# EAGLE board working (EAGLE 9.6.2), part 22 of 28
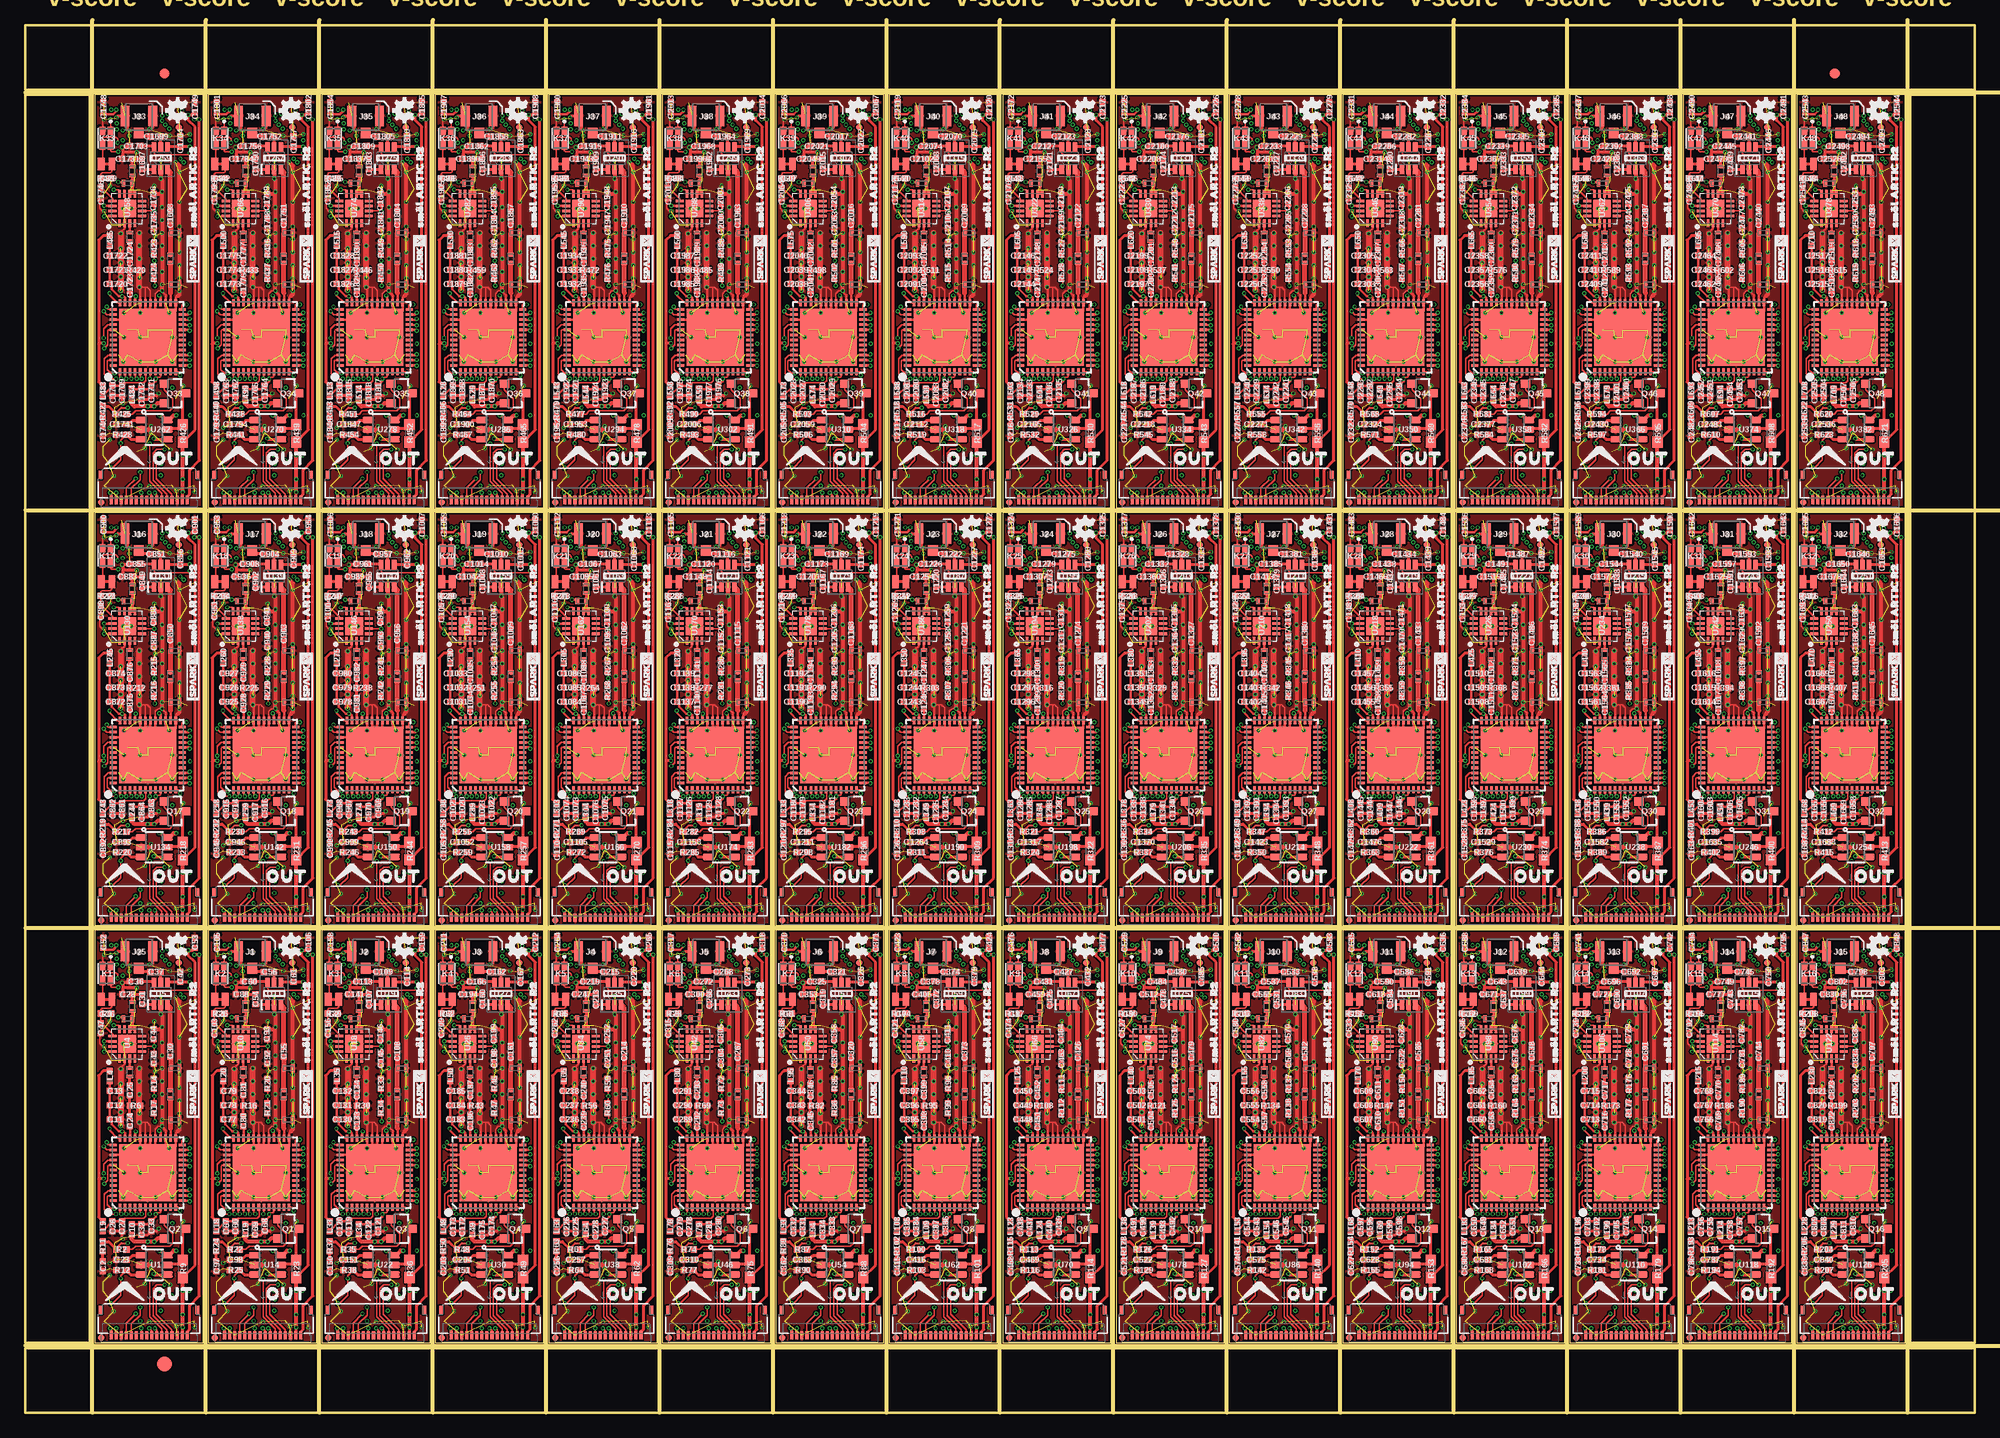
[diagram p0: board, top side]
## Tracks (layer width: path | path; a pad name or v marks a point on that pad's centre or on a via) (continued)
N$707  (via drill 0.2) (continued)
  Top 0.152: v113.41,60.7 113.41,60.77 113.46,60.82 113.8,60.82 113.9,60.92 U201.9
  Top 0.254: L379.1 C1341.1 112.65,59.68 C1340.1 113.41,60.44 v113.41,60.7
  Bottom 0.152: v113.41,60.7 112.65,59.94 R326.1 R327.2
N$708  (via drill 0.2)
  Top 0.254: U201.35 110.4,68.67 110.24,68.84 v110.11,68.84 109.79,68.84 109.1,69.52 109.1,69.85 C1349.1 C1350.1 C1351.1 108.91,73.79 L380.1 | U201.28 113.9,68.77 v113.77,68.9 | U201.33 111.4,68.78 v111.45,68.84
  Bottom 0.254: v113.77,68.9 113.71,68.84 v111.45,68.84 v110.11,68.84
N$709  (via drill 0.2)
  Top 0.152: U201.36 109.64,68.17 108.88,68.93 v108.88,69.12
  Bottom 0.254: L381.1 109.22,69.47 v108.88,69.12 108.88,69.11 109.4,68.58 C1343.1 109.42,68.45 109.86,68.01 C1342.1
N$710  (via drill 0.2)
  Top 0.127: U201.41 108.78,65.52 108.69,65.43 108.69,64.03 v108.34,63.69
  Bottom 0.152: v108.34,63.69 108.34,63.11 R328.1
N$711  (via drill 0.2)
  Top 0.152: U201.40 108.69,66.02 108.3,65.62 v108.3,64.71
  Bottom 0.152: v108.3,64.71 109.09,64.71 C1344.1 C1345.1 L382.1
N$712  (via drill 0.2)
  Top 0.152: v108.59,67.77 108.59,67.68 108.74,67.52 U201.37
  Bottom 0.152: v108.59,67.77 109.09,67.27 109.6,67.27 110.07,66.79 110.34,66.79 X26.4 111.67,66.45 C1347.1 C1346.1
N$713
  Bottom 0.152: C1348.1 108.36,65.63 109.18,66.45 X26.3
N$714  (via drill 0.2)
  Top 0.152: U201.38 108.59,67.02 108.29,67.32 v108.29,67.36
  Bottom 0.152: v108.29,67.36 108.27,67.33 C1348.2
N$715
  Top 0.254: U201.34 110.9,69.32 C1352.1
N$716
  Top 0.254: 110.87,71.37 R329.2 | 110.88,72.39 C1353.1
  Top 0.305: C1352.2 110.87,71.37 | R329.2 110.88,72.39
N$717  (via drill 0.2)
  Top 0.254: v108.33,77.72 U202.14
  Bottom 0.254: L384.P$2 108.34,77.74 v108.33,77.72
N$718
  Bottom 0.254: C1358.1 C1357.1 R331.1 109.62,78.6 L384.P$1
N$719
  Top 0.305: C1353.2 L383.P$1
N$720
  Top 0.254: L383.P$2 U202.3
N$721
  Top 0.254: U202.10 111.12,78.92 U202.9
  Top 0.305: 111.12,79.93 L385.P$2 | 111.12,79.93 111.12,78.92 | L386.P$1 111.12,79.93
N$722
  Top 0.254: C1359.P$1 114.88,72.1 114.87,72.09 114.88,72.08 | 114.9,69.96 L387.P$2 arc-45 L387.P$2 | U201.26 114.9,69.14 114.88,69.15
  Top 0.508: 114.88,69.15 L387.P$2 | L387.P$2 114.88,72.08
N$723  (via drill 0.2)
  Top 0.254: U201.20 116.66,65.52 v116.78,65.41
  Bottom 0.152: C1366.1 116.08,63.55 117.09,63.55 117.22,63.69 117.22,64.96 v116.78,65.41
  Bottom 0.254: C1366.1 C1367.1 L389.1
N$724
  Top 0.305: U206.5 114.65,55.75 115.67,55.75 R335.1 116.08,58.97 Q26.3
N$725
  Top 0.152: R334.1 111.12,57.21 111.44,57.53 114.81,57.53 115.12,57.85 115.12,58.74 114.25,59.61 Q26.1
N$726  (via drill 0.2)
  Top 0.203: R334.2 109.55,57.35 110.05,57.85 v110.67,57.85
  Top 0.305: v113.22,54.8 113.28,54.74 U206.4 | R336.1 108.26,57.97 108.78,57.97 R334.2
  Bottom 0.203: v113.22,54.8 112.9,54.8 112.14,55.56 112.14,57.47 111.76,57.85 v110.67,57.85
N$727
  Top 0.305: C1369.1 R336.2
  Top 0.406: 108.2,57.02 R336.2
N$728
  Top 0.305: U206.1 111.92,56.58 111.12,56.58 110.74,56.2 C1370.1
N$729
  Top 0.305: C1379.1 124.42,81.35 U211.1
N$730
  Top 0.508: C1380.1 126.05,81.02 U211.3
N$731
  Top 0.305: U211.5 C1381.2
N$732  (via drill 0.2)
  Top 0.254: U209.24 127.23,67.92 127.32,68.01 v127.64,68.01
  Bottom 0.305: C1388.1 126.24,68.78 126.24,68.57 126.67,68.14 L391.1 v127.64,68.01 127.64,68.59 C1387.1
N$733  (via drill 0.2)
  Top 0.254: U209.23 127.7,67.02 127.71,67.03 127.8,67.03 v127.95,67.18
  Bottom 0.305: L392.1 127.25,66.99 127.45,67.18 v127.95,67.18
  Bottom 0.406: C1389.1 C1390.1 L392.1
N$734
  Top 0.152: U209.6 123.63,61.32 123.63,60.49 123.43,60.29 121.57,60.29 C1391.1 | L393.1 119.38,59.02 120.33,59.98 C1392.1
  Top 0.254: C1392.1 C1391.1
N$735  (via drill 0.2)
  Top 0.152: v124.59,60.7 124.59,60.77 124.64,60.82 124.98,60.82 125.08,60.92 U209.9
  Top 0.254: L394.1 C1394.1 123.83,59.68 C1393.1 124.59,60.44 v124.59,60.7
  Bottom 0.152: v124.59,60.7 123.83,59.94 R339.1 R340.2
N$736  (via drill 0.2)
  Top 0.254: U209.35 121.58,68.67 121.41,68.84 v121.29,68.84 120.97,68.84 120.28,69.52 120.28,69.85 C1402.1 C1403.1 C1404.1 L395.1 | U209.28 125.08,68.77 v124.95,68.9 | U209.33 122.58,68.78 v122.63,68.84
  Bottom 0.254: v124.95,68.9 124.89,68.84 v122.63,68.84 v121.29,68.84
N$737  (via drill 0.2)
  Top 0.152: U209.36 120.81,68.17 120.05,68.93 v120.05,69.12
  Bottom 0.254: L396.1 120.4,69.47 v120.05,69.12 120.05,69.11 120.58,68.58 C1396.1 120.59,68.45 121.04,68.01 C1395.1
N$738  (via drill 0.2)
  Top 0.127: U209.41 119.95,65.52 119.86,65.43 119.86,64.03 v119.52,63.69
  Bottom 0.152: v119.52,63.69 119.52,63.11 R341.1
N$739  (via drill 0.2)
  Top 0.152: U209.40 119.87,66.02 119.47,65.62 v119.47,64.71
  Bottom 0.152: v119.47,64.71 120.26,64.71 C1397.1 C1398.1 L397.1
N$740  (via drill 0.2)
  Top 0.152: v119.76,67.77 119.76,67.68 119.92,67.52 U209.37
  Bottom 0.152: v119.76,67.77 120.27,67.27 120.78,67.27 121.25,66.79 121.52,66.79 X27.4 122.85,66.45 C1400.1 C1399.1
N$741
  Bottom 0.152: C1401.1 119.53,65.63 120.36,66.45 X27.3
N$742  (via drill 0.2)
  Top 0.152: U209.38 119.77,67.02 119.47,67.32 v119.47,67.36
  Bottom 0.152: v119.47,67.36 119.44,67.33 C1401.2
N$743
  Top 0.254: U209.34 122.08,69.32 C1405.1
N$744
  Top 0.254: 122.05,71.37 R342.2 | C1406.1
  Top 0.305: C1405.2 122.05,71.37 | R342.2 C1406.1
N$745  (via drill 0.2)
  Top 0.254: v119.51,77.72 U210.14
  Bottom 0.254: L399.P$2 119.52,77.74 v119.51,77.72
N$746
  Bottom 0.254: C1411.1 C1410.1 R344.1 120.8,78.6 L399.P$1
N$747
  Top 0.305: C1406.2 L398.P$1
N$748
  Top 0.254: L398.P$2 U210.3
N$749
  Top 0.254: U210.10 122.3,78.92 U210.9
  Top 0.305: 122.3,79.93 L400.P$2 | 122.3,79.93 122.3,78.92 | L401.P$1 122.3,79.93
N$750
  Top 0.254: C1412.P$1 126.06,72.1 126.05,72.09 126.06,72.08 | 126.08,69.96 L402.P$2 arc-45 L402.P$2 | U209.26 126.08,69.14 126.06,69.15
  Top 0.508: 126.06,69.15 L402.P$2 | L402.P$2 126.06,72.08
N$751  (via drill 0.2)
  Top 0.254: U209.20 127.84,65.52 v127.95,65.41
  Bottom 0.152: C1419.1 127.25,63.55 128.26,63.55 128.4,63.69 128.4,64.96 v127.95,65.41
  Bottom 0.254: C1419.1 C1420.1 L404.1
N$752
  Top 0.305: U214.5 125.82,55.75 126.85,55.75 R348.1 127.25,58.97 Q27.3
N$753
  Top 0.152: R347.1 122.3,57.21 122.62,57.53 125.98,57.53 126.3,57.85 126.3,58.74 125.43,59.61 Q27.1
N$754  (via drill 0.2)
  Top 0.203: R347.2 120.72,57.35 121.22,57.85 v121.84,57.85
  Top 0.305: v124.4,54.8 124.46,54.74 U214.4 | R349.1 119.44,57.97 119.96,57.97 R347.2
  Bottom 0.203: v124.4,54.8 124.08,54.8 123.32,55.56 123.32,57.47 122.94,57.85 v121.84,57.85
N$755
  Top 0.305: C1422.1 R349.2
  Top 0.406: R349.2
N$756
  Top 0.305: U214.1 123.1,56.58 122.29,56.58 121.91,56.2 C1423.1
N$757
  Top 0.305: C1432.1 135.59,81.35 U219.1
N$758
  Top 0.508: C1433.1 137.22,81.02 U219.3
N$759
  Top 0.305: U219.5 C1434.2
N$760  (via drill 0.2)
  Top 0.254: U217.24 138.4,67.92 138.49,68.01 v138.81,68.01
  Bottom 0.305: C1441.1 137.41,68.78 137.41,68.57 137.85,68.14 L406.1 v138.81,68.01 138.81,68.59 C1440.1
N$761  (via drill 0.2)
  Top 0.254: U217.23 138.88,67.02 138.88,67.03 138.97,67.03 v139.13,67.18
  Bottom 0.305: L407.1 138.43,66.99 138.62,67.18 v139.13,67.18
  Bottom 0.406: C1442.1 C1443.1 L407.1
N$762
  Top 0.152: U217.6 134.8,61.32 134.8,60.49 134.6,60.29 132.75,60.29 C1444.1 | L408.1 130.56,59.02 131.51,59.98 C1445.1
  Top 0.254: C1445.1 C1444.1
N$763  (via drill 0.2)
  Top 0.152: v135.76,60.7 135.76,60.77 135.81,60.82 136.15,60.82 136.25,60.92 U217.9
  Top 0.254: L409.1 C1447.1 135,59.68 C1446.1 135.76,60.44 v135.76,60.7
  Bottom 0.152: v135.76,60.7 135,59.94 R352.1 R353.2
N$764  (via drill 0.2)
  Top 0.254: U217.35 132.75,68.67 132.59,68.84 v132.46,68.84 132.14,68.84 131.45,69.52 131.45,69.85 C1455.1 C1456.1 C1457.1 L410.1 | U217.28 136.25,68.77 v136.12,68.9 | U217.33 133.75,68.78 v133.81,68.84
  Bottom 0.254: v136.12,68.9 136.06,68.84 v133.81,68.84 v132.46,68.84
N$765  (via drill 0.2)
  Top 0.152: U217.36 131.99,68.17 131.23,68.93 v131.23,69.12
  Bottom 0.254: L411.1 131.57,69.47 v131.23,69.12 131.23,69.11 131.75,68.58 C1449.1 131.77,68.45 132.22,68.01 C1448.1
N$766  (via drill 0.2)
  Top 0.127: U217.41 131.13,65.52 131.04,65.43 131.04,64.03 v130.7,63.69
  Bottom 0.152: v130.7,63.69 130.7,63.11 R354.1
N$767  (via drill 0.2)
  Top 0.152: U217.40 131.04,66.02 130.65,65.62 v130.65,64.71
  Bottom 0.152: v130.65,64.71 131.44,64.71 C1450.1 C1451.1 L412.1
N$768  (via drill 0.2)
  Top 0.152: v130.94,67.77 130.94,67.68 131.09,67.52 U217.37
  Bottom 0.152: v130.94,67.77 131.44,67.27 131.95,67.27 132.43,66.79 132.69,66.79 X28.4 134.02,66.45 C1453.1 C1452.1
N$769
  Bottom 0.152: C1454.1 130.71,65.63 131.53,66.45 X28.3
N$770  (via drill 0.2)
  Top 0.152: U217.38 130.94,67.02 130.65,67.32 v130.65,67.36
  Bottom 0.152: v130.65,67.36 130.62,67.33 C1454.2
N$771
  Top 0.254: U217.34 133.25,69.32 C1458.1
N$772
  Top 0.254: 133.22,71.37 R355.2 | 133.23,72.39 C1459.1
  Top 0.305: C1458.2 133.22,71.37 | R355.2 133.23,72.39
N$773  (via drill 0.2)
  Top 0.254: v130.68,77.72 U218.14
  Bottom 0.254: L414.P$2 v130.7,77.74 v130.68,77.72
N$774
  Bottom 0.254: C1464.1 C1463.1 R357.1 131.97,78.6 L414.P$1
N$775
  Top 0.305: C1459.2 L413.P$1
N$776
  Top 0.254: L413.P$2 U218.3
N$777
  Top 0.254: U218.10 133.48,78.92 U218.9
  Top 0.305: 133.48,79.93 L415.P$2 | 133.48,79.93 133.48,78.92 | L416.P$1 133.48,79.93
N$778
  Top 0.254: C1465.P$1 137.24,72.1 137.22,72.09 137.23,72.08 137.24,72.08 | 137.25,69.96 L417.P$2 arc-45 L417.P$2 | U217.26 137.25,69.14 137.24,69.15
  Top 0.508: 137.24,69.15 L417.P$2 | L417.P$2 137.23,72.08
N$779  (via drill 0.2)
  Top 0.254: U217.20 139.01,65.52 v139.13,65.41
  Bottom 0.152: C1472.1 138.43,63.55 139.44,63.55 139.57,63.69 139.57,64.96 v139.13,65.41
  Bottom 0.254: C1472.1 C1473.1 L419.1
N$780
  Top 0.305: U222.5 137,55.75 138.03,55.75 R361.1 138.43,58.97 Q28.3
N$781
  Top 0.152: R360.1 133.48,57.21 133.79,57.53 137.16,57.53 137.48,57.85 137.48,58.74 136.6,59.61 Q28.1
N$782  (via drill 0.2)
  Top 0.203: R360.2 131.9,57.35 132.4,57.85 v133.02,57.85
  Top 0.305: v135.57,54.8 135.63,54.74 U222.4 | R362.1 130.61,57.97 131.14,57.97 R360.2
  Bottom 0.203: v135.57,54.8 135.25,54.8 134.49,55.56 134.49,57.47 134.11,57.85 v133.02,57.85
N$783
  Top 0.305: C1475.1 R362.2
  Top 0.406: R362.2
N$784
  Top 0.305: U222.1 134.28,56.58 133.47,56.58 133.09,56.2 C1476.1
N$785
  Top 0.305: C1485.1 146.77,81.35 U227.1
N$786
  Top 0.508: C1486.1 148.4,81.02 U227.3
N$787
  Top 0.305: U227.5 C1487.2
N$788  (via drill 0.2)
  Top 0.254: U225.24 149.58,67.92 149.67,68.01 v149.99,68.01
  Bottom 0.305: C1494.1 148.59,68.78 148.59,68.57 149.03,68.14 L421.1 v149.99,68.01 149.99,68.59 C1493.1
N$789  (via drill 0.2)
  Top 0.254: U225.23 150.05,67.02 150.06,67.03 150.15,67.03 v150.3,67.18
  Bottom 0.305: L422.1 149.61,66.99 149.8,67.18 v150.3,67.18
  Bottom 0.406: C1495.1 C1496.1 L422.1
N$790
  Top 0.152: U225.6 145.98,61.32 145.98,60.49 145.78,60.29 143.93,60.29 C1497.1 | L423.1 141.73,59.02 142.69,59.98 C1498.1
  Top 0.254: C1498.1 C1497.1
N$791  (via drill 0.2)
  Top 0.152: v146.94,60.7 146.94,60.77 146.99,60.82 147.33,60.82 147.43,60.92 U225.9
  Top 0.254: L424.1 C1500.1 146.18,59.68 C1499.1 146.94,60.44 v146.94,60.7
  Bottom 0.152: v146.94,60.7 146.18,59.94 R365.1 R366.2
N$792  (via drill 0.2)
  Top 0.254: U225.35 143.93,68.67 143.76,68.84 v143.64,68.84 143.32,68.84 142.63,69.52 142.63,69.85 C1508.1 C1509.1 C1510.1 L425.1 | U225.28 147.43,68.77 v147.3,68.9 | U225.33 144.93,68.78 v144.98,68.84
  Bottom 0.254: v147.3,68.9 147.24,68.84 v144.98,68.84 v143.64,68.84
N$793  (via drill 0.2)
  Top 0.152: U225.36 143.17,68.17 142.4,68.93 v142.4,69.12
  Bottom 0.254: L426.1 142.75,69.47 v142.4,69.12 142.4,69.11 142.93,68.58 C1502.1 142.95,68.45 143.39,68.01 C1501.1
N$794  (via drill 0.2)
  Top 0.127: U225.41 142.3,65.52 142.22,65.43 142.22,64.03 v141.87,63.69
  Bottom 0.152: v141.87,63.69 141.87,63.11 R367.1
N$795  (via drill 0.2)
  Top 0.152: U225.40 142.22,66.02 141.82,65.62 v141.82,64.71
  Bottom 0.152: v141.82,64.71 142.61,64.71 C1503.1 C1504.1 L427.1
N$796  (via drill 0.2)
  Top 0.152: v142.11,67.77 142.11,67.68 142.27,67.52 U225.37
  Bottom 0.152: v142.11,67.77 142.62,67.27 143.13,67.27 143.6,66.79 143.87,66.79 X29.4 145.2,66.45 C1506.1 C1505.1
N$797
  Bottom 0.152: C1507.1 141.88,65.63 142.71,66.45 X29.3
N$798  (via drill 0.2)
  Top 0.152: U225.38 142.12,67.02 141.82,67.32 v141.82,67.36
  Bottom 0.152: v141.82,67.36 141.8,67.33 C1507.2
N$799
  Top 0.254: U225.34 144.43,69.32 C1511.1
N$800
  Top 0.254: 144.4,71.37 R368.2 | C1512.1
  Top 0.305: C1511.2 144.4,71.37 | R368.2 C1512.1
N$801  (via drill 0.2)
  Top 0.254: v141.86,77.72 U226.14
  Bottom 0.254: L429.P$2 141.87,77.74 v141.86,77.72
N$802
  Bottom 0.254: C1517.1 C1516.1 R370.1 143.15,78.6 L429.P$1
N$803
  Top 0.305: C1512.2 L428.P$1
N$804
  Top 0.254: L428.P$2 U226.3
N$805
  Top 0.254: U226.10 144.65,78.92 U226.9
  Top 0.305: 144.65,79.93 L430.P$2 | 144.65,79.93 144.65,78.92 | L431.P$1 144.65,79.93
N$806
  Top 0.254: C1518.P$1 148.41,72.1 148.4,72.09 148.41,72.08 | 148.43,69.96 L432.P$2 arc-45 L432.P$2 | U225.26 148.43,69.14 148.41,69.15
  Top 0.508: 148.41,69.15 L432.P$2 | L432.P$2 148.41,72.08
N$807  (via drill 0.2)
  Top 0.254: U225.20 150.19,65.52 v150.3,65.41
  Bottom 0.152: C1525.1 149.61,63.55 150.61,63.55 150.75,63.69 150.75,64.96 v150.3,65.41
  Bottom 0.254: C1525.1 C1526.1 L434.1
N$808
  Top 0.305: U230.5 148.18,55.75 149.2,55.75 R374.1 149.61,58.97 Q29.3
N$809
  Top 0.152: R373.1 144.65,57.21 144.97,57.53 148.34,57.53 148.65,57.85 148.65,58.74 147.78,59.61 Q29.1
N$810  (via drill 0.2)
  Top 0.203: R373.2 143.07,57.35 143.57,57.85 v144.2,57.85
  Top 0.305: v146.75,54.8 146.81,54.74 U230.4 | R375.1 141.79,57.97 142.31,57.97 R373.2
  Bottom 0.203: v146.75,54.8 146.43,54.8 145.67,55.56 145.67,57.47 145.29,57.85 v144.2,57.85
N$811
  Top 0.305: C1528.1 R375.2
  Top 0.406: R375.2
N$812
  Top 0.305: U230.1 145.45,56.58 144.65,56.58 144.26,56.2 C1529.1
N$813
  Top 0.305: C1538.1 157.94,81.35 U235.1
N$814
  Top 0.508: C1539.1 159.58,81.02 U235.3
N$815
  Top 0.305: U235.5 C1540.2
N$816  (via drill 0.2)
  Top 0.254: U233.24 160.75,67.92 160.85,68.01 v161.16,68.01
  Bottom 0.305: C1547.1 159.77,68.78 159.77,68.57 160.2,68.14 L436.1 v161.16,68.01 161.16,68.59 C1546.1
N$817  (via drill 0.2)
  Top 0.254: U233.23 161.23,67.02 161.23,67.03 161.32,67.03 v161.48,67.18
  Bottom 0.305: L437.1 160.78,66.99 160.97,67.18 v161.48,67.18
  Bottom 0.406: C1548.1 C1549.1 L437.1
N$818
  Top 0.152: U233.6 157.15,61.32 157.15,60.49 156.95,60.29 155.1,60.29 C1550.1 | L438.1 152.91,59.02 153.86,59.98 C1551.1
  Top 0.254: C1551.1 C1550.1
N$819  (via drill 0.2)
  Top 0.152: v158.12,60.7 158.12,60.77 158.16,60.82 158.5,60.82 158.6,60.92 U233.9
  Top 0.254: L439.1 C1553.1 157.35,59.68 C1552.1 158.12,60.44 v158.12,60.7
  Bottom 0.152: v158.12,60.7 157.36,59.94 R378.1 R379.2
N$820  (via drill 0.2)
  Top 0.254: U233.35 155.1,68.67 154.94,68.84 v154.81,68.84 154.49,68.84 153.81,69.52 153.81,69.85 C1561.1 C1562.1 C1563.1 L440.1 | U233.28 158.6,68.77 v158.48,68.9 | U233.33 156.1,68.78 v156.16,68.84
  Bottom 0.254: v158.48,68.9 158.41,68.84 v156.16,68.84 v154.81,68.84
N$821  (via drill 0.2)
  Top 0.152: U233.36 154.34,68.17 153.58,68.93 v153.58,69.12
  Bottom 0.254: L441.1 153.92,69.47 v153.58,69.12 153.58,69.11 154.11,68.58 C1555.1 154.12,68.45 154.57,68.01 C1554.1
N$822  (via drill 0.2)
  Top 0.127: U233.41 153.48,65.52 153.39,65.43 153.39,64.03 v153.05,63.69
  Bottom 0.152: v153.05,63.69 153.05,63.11 R380.1
N$823  (via drill 0.2)
  Top 0.152: U233.40 153.4,66.02 153,65.62 v153,64.71
  Bottom 0.152: v153,64.71 153.79,64.71 C1556.1 C1557.1 L442.1
N$824  (via drill 0.2)
  Top 0.152: v153.29,67.77 153.29,67.68 153.44,67.52 U233.37
  Bottom 0.152: v153.29,67.77 153.8,67.27 154.3,67.27 154.78,66.79 155.05,66.79 X30.4 156.38,66.45 C1559.1 C1558.1
N$825
  Bottom 0.152: C1560.1 153.06,65.63 153.88,66.45 X30.3
N$826  (via drill 0.2)
  Top 0.152: U233.38 153.3,67.02 153,67.32 v153,67.36
  Bottom 0.152: v153,67.36 152.97,67.33 C1560.2
N$827
  Top 0.254: U233.34 155.6,69.32 C1564.1
N$828
  Top 0.254: 155.58,71.37 R381.2 | C1565.1
  Top 0.305: C1564.2 155.58,71.37 | R381.2 C1565.1
N$829  (via drill 0.2)
  Top 0.254: v153.03,77.72 U234.14
  Bottom 0.254: L444.P$2 v153.05,77.74 v153.03,77.72
N$830
  Bottom 0.254: C1570.1 C1569.1 R383.1 154.33,78.6 L444.P$1
N$831
  Top 0.305: C1565.2 L443.P$1
N$832
  Top 0.254: L443.P$2 U234.3
N$833
  Top 0.254: U234.10 155.83,78.92 U234.9
  Top 0.305: 155.83,79.93 L445.P$2 | 155.83,79.93 155.83,78.92 | L446.P$1 155.83,79.93
N$834
  Top 0.254: C1571.P$1 159.59,72.1 159.58,72.09 159.59,72.08 | 159.6,69.96 L447.P$2 arc-45 L447.P$2 | U233.26 159.6,69.14 159.59,69.15
  Top 0.508: 159.59,69.15 L447.P$2 | L447.P$2 159.59,72.08
N$835  (via drill 0.2)
  Top 0.254: U233.20 161.37,65.52 v161.48,65.41
  Bottom 0.152: C1578.1 160.78,63.55 161.79,63.55 161.93,63.69 161.93,64.96 v161.48,65.41
  Bottom 0.254: C1578.1 C1579.1 L449.1
N$836
  Top 0.305: U238.5 159.35,55.75 160.38,55.75 R387.1 160.78,58.97 Q30.3
N$837
  Top 0.152: R386.1 155.83,57.21 156.15,57.53 159.51,57.53 159.83,57.85 159.83,58.74 158.96,59.61 Q30.1
N$838  (via drill 0.2)
  Top 0.203: R386.2 154.25,57.35 154.75,57.85 v155.37,57.85
  Top 0.305: v157.92,54.8 157.99,54.74 U238.4 | R388.1 152.96,57.97 153.49,57.97 R386.2
  Bottom 0.203: v157.92,54.8 157.61,54.8 156.84,55.56 156.84,57.47 156.46,57.85 v155.37,57.85
N$839
  Top 0.305: C1581.1 R388.2
  Top 0.406: R388.2
N$840
  Top 0.305: U238.1 156.63,56.58 155.82,56.58 155.44,56.2 C1582.1
N$841
  Top 0.305: C1591.1 169.12,81.35 U243.1
N$842
  Top 0.508: C1592.1 170.75,81.02 U243.3
N$843
  Top 0.305: U243.5 169.8,84.57 C1593.2
N$844  (via drill 0.2)
  Top 0.254: U241.24 171.93,67.92 172.02,68.01 v172.34,68.01
  Bottom 0.305: C1600.1 170.94,68.78 170.94,68.57 171.38,68.14 L451.1 v172.34,68.01 172.34,68.59 C1599.1
N$845  (via drill 0.2)
  Top 0.254: U241.23 172.4,67.02 172.41,67.03 172.5,67.03 v172.66,67.18
  Bottom 0.305: L452.1 171.96,66.99 172.15,67.18 v172.66,67.18
  Bottom 0.406: C1601.1 C1602.1 L452.1
N$846
  Top 0.152: U241.6 168.33,61.32 168.33,60.49 168.13,60.29 166.28,60.29 C1603.1 | L453.1 164.08,59.02 165.04,59.98 C1604.1
  Top 0.254: C1604.1 C1603.1
N$847  (via drill 0.2)
  Top 0.152: v169.29,60.7 169.29,60.77 169.34,60.82 169.68,60.82 169.78,60.92 U241.9
  Top 0.254: L454.1 C1606.1 168.53,59.68 C1605.1 169.29,60.44 v169.29,60.7
  Bottom 0.152: v169.29,60.7 168.53,59.94 R391.1 R392.2
N$848  (via drill 0.2)
  Top 0.254: U241.35 166.28,68.67 166.12,68.84 v165.99,68.84 165.67,68.84 164.98,69.52 164.98,69.85 C1614.1 C1615.1 C1616.1 164.79,73.79 L455.1 | U241.28 169.78,68.77 v169.65,68.9 | U241.33 167.28,68.78 v167.34,68.84
  Bottom 0.254: v169.65,68.9 169.59,68.84 v167.34,68.84 v165.99,68.84
N$849  (via drill 0.2)
  Top 0.152: U241.36 165.52,68.17 164.75,68.93 v164.75,69.12
  Bottom 0.254: L456.1 165.1,69.47 v164.75,69.12 164.75,69.11 165.28,68.58 C1608.1 165.3,68.45 165.74,68.01 C1607.1
N$850  (via drill 0.2)
  Top 0.127: U241.41 164.66,65.52 164.57,65.43 164.57,64.03 v164.22,63.69
  Bottom 0.152: v164.22,63.69 164.22,63.11 R393.1
N$851  (via drill 0.2)
  Top 0.152: U241.40 164.57,66.02 164.18,65.62 v164.18,64.71
  Bottom 0.152: v164.18,64.71 164.97,64.71 C1609.1 C1610.1 L457.1
N$852  (via drill 0.2)
  Top 0.152: v164.47,67.77 164.47,67.68 164.62,67.52 U241.37
  Bottom 0.152: v164.47,67.77 164.97,67.27 165.48,67.27 165.95,66.79 166.22,66.79 X31.4 167.55,66.45 C1612.1 C1611.1
N$853
  Bottom 0.152: C1613.1 164.24,65.63 165.06,66.45 X31.3
N$854  (via drill 0.2)
  Top 0.152: U241.38 164.47,67.02 164.17,67.32 v164.17,67.36
  Bottom 0.152: v164.17,67.36 164.15,67.33 C1613.2
N$855
  Top 0.254: U241.34 166.78,69.32 C1617.1
N$856
  Top 0.254: 166.75,71.37 R394.2 | 166.76,72.39 C1618.1
  Top 0.305: C1617.2 166.75,71.37 | R394.2 166.76,72.39
N$857  (via drill 0.2)
  Top 0.254: v164.21,77.72 U242.14
  Bottom 0.254: L459.P$2 164.22,77.74 v164.21,77.72
N$858
  Bottom 0.254: C1623.1 C1622.1 R396.1 165.5,78.6 L459.P$1
N$859
  Top 0.305: C1618.2 L458.P$1
N$860
  Top 0.254: L458.P$2 U242.3
N$861
  Top 0.254: U242.10 167,78.92 U242.9
  Top 0.305: 167,79.93 L460.P$2 | 167,79.93 167,78.92 | L461.P$1 167,79.93
N$862
  Top 0.254: C1624.P$1 170.76,72.1 170.75,72.09 170.76,72.08 | 170.78,69.96 L462.P$2 arc-45 L462.P$2 | U241.26 170.78,69.14 170.76,69.15
  Top 0.508: 170.76,69.15 L462.P$2 | L462.P$2 170.76,72.08
N$863  (via drill 0.2)
  Top 0.254: U241.20 172.54,65.52 v172.66,65.41
  Bottom 0.152: C1631.1 171.96,63.55 172.97,63.55 173.1,63.69 173.1,64.96 v172.66,65.41
  Bottom 0.254: C1631.1 C1632.1 L464.1
N$864
  Top 0.305: U246.5 170.53,55.75 171.55,55.75 R400.1 171.96,58.97 Q31.3
N$865
  Top 0.152: R399.1 167,57.21 167.32,57.53 170.69,57.53 171.01,57.85 171.01,58.74 170.13,59.61 Q31.1
N$866  (via drill 0.2)
  Top 0.203: R399.2 165.43,57.35 165.93,57.85 v166.55,57.85
  Top 0.305: v169.1,54.8 169.16,54.74 U246.4 | R401.1 164.14,57.97 164.66,57.97 R399.2
  Bottom 0.203: v169.1,54.8 168.78,54.8 168.02,55.56 168.02,57.47 167.64,57.85 v166.55,57.85
N$867
  Top 0.305: C1634.1 R401.2
  Top 0.406: 164.08,57.02 R401.2
N$868
  Top 0.305: U246.1 167.8,56.58 167,56.58 166.62,56.2 C1635.1
N$869
  Top 0.305: C1644.1 180.3,81.35 U251.1
N$870
  Top 0.508: C1645.1 181.93,81.02 U251.3
N$871
  Top 0.305: U251.5 C1646.2
N$872  (via drill 0.2)
  Top 0.254: U249.24 183.11,67.92 183.2,68.01 v183.52,68.01
  Bottom 0.305: C1653.1 182.12,68.78 182.12,68.57 182.55,68.14 L466.1 v183.52,68.01 183.52,68.59 C1652.1
N$873  (via drill 0.2)
  Top 0.254: U249.23 183.58,67.02 183.59,67.03 183.68,67.03 v183.83,67.18
  Bottom 0.305: L467.1 183.13,66.99 183.32,67.18 v183.83,67.18
  Bottom 0.406: C1654.1 C1655.1 L467.1
N$874
  Top 0.152: U249.6 179.51,61.32 179.51,60.49 179.31,60.29 177.45,60.29 C1656.1 | L468.1 175.26,59.02 176.21,59.98 C1657.1
  Top 0.254: C1657.1 C1656.1
N$875  (via drill 0.2)
  Top 0.152: v180.47,60.7 180.47,60.77 180.52,60.82 180.86,60.82 180.96,60.92 U249.9
  Top 0.254: L469.1 C1659.1 179.71,59.68 C1658.1 180.47,60.44 v180.47,60.7
  Bottom 0.152: v180.47,60.7 179.71,59.94 R404.1 R405.2
N$876  (via drill 0.2)
  Top 0.254: U249.35 177.46,68.67 177.29,68.84 v177.16,68.84 176.85,68.84 176.16,69.52 176.16,69.85 C1667.1 C1668.1 C1669.1 L470.1 | U249.28 180.96,68.77 v180.83,68.9 | U249.33 178.46,68.78 v178.51,68.84
  Bottom 0.254: v180.83,68.9 180.77,68.84 v178.51,68.84 v177.16,68.84
N$877  (via drill 0.2)
  Top 0.152: U249.36 176.69,68.17 175.93,68.93 v175.93,69.12
  Bottom 0.254: L471.1 176.28,69.47 v175.93,69.12 175.93,69.11 176.46,68.58 C1661.1 176.47,68.45 176.92,68.01 C1660.1
N$878  (via drill 0.2)
  Top 0.127: U249.41 175.83,65.52 175.74,65.43 175.74,64.03 v175.4,63.69
  Bottom 0.152: v175.4,63.69 175.4,63.11 R406.1
N$879  (via drill 0.2)
  Top 0.152: U249.40 175.75,66.02 175.35,65.62 v175.35,64.71
  Bottom 0.152: v175.35,64.71 176.14,64.71 C1662.1 C1663.1 L472.1
N$880  (via drill 0.2)
  Top 0.152: v175.64,67.77 175.64,67.68 175.8,67.52 U249.37
  Bottom 0.152: v175.64,67.77 176.15,67.27 176.66,67.27 177.13,66.79 177.4,66.79 X32.4 178.73,66.45 C1665.1 C1664.1
N$881
  Bottom 0.152: C1666.1 175.41,65.63 176.24,66.45 X32.3
N$882  (via drill 0.2)
  Top 0.152: U249.38 175.65,67.02 175.35,67.32 v175.35,67.36
  Bottom 0.152: v175.35,67.36 175.32,67.33 C1666.2
N$883
  Top 0.254: U249.34 177.96,69.32 C1670.1
N$884
  Top 0.254: 177.93,71.37 R407.2 | C1671.1
  Top 0.305: C1670.2 177.93,71.37 | R407.2 C1671.1
N$885  (via drill 0.2)
  Top 0.254: v175.39,77.72 U250.14
  Bottom 0.254: L474.P$2 175.4,77.74 v175.39,77.72
N$886
  Bottom 0.254: C1676.1 C1675.1 R409.1 176.68,78.6 L474.P$1
N$887
  Top 0.305: C1671.2 L473.P$1
N$888
  Top 0.254: L473.P$2 U250.3
N$889
  Top 0.254: U250.10 178.18,78.92 U250.9
  Top 0.305: 178.18,79.93 L475.P$2 | 178.18,79.93 178.18,78.92 | L476.P$1 178.18,79.93
N$890
  Top 0.254: C1677.P$1 181.94,72.1 181.93,72.09 181.94,72.08 | 181.96,69.96 L477.P$2 arc-45 L477.P$2 | U249.26 181.96,69.14 181.94,69.15
  Top 0.508: 181.94,69.15 L477.P$2 | L477.P$2 181.94,72.08
N$891  (via drill 0.2)
  Top 0.254: U249.20 183.72,65.52 v183.83,65.41
  Bottom 0.152: C1684.1 183.13,63.55 184.14,63.55 184.28,63.69 184.28,64.96 v183.83,65.41
  Bottom 0.254: C1684.1 C1685.1 L479.1
N$892
  Top 0.305: U254.5 181.7,55.75 182.73,55.75 R413.1 183.13,58.97 Q32.3
N$893
  Top 0.152: R412.1 178.18,57.21 178.5,57.53 181.86,57.53 182.18,57.85 182.18,58.74 181.31,59.61 Q32.1
N$894  (via drill 0.2)
  Top 0.203: R412.2 176.6,57.35 177.1,57.85 v177.72,57.85
  Top 0.305: v180.28,54.8 180.34,54.74 U254.4 | R414.1 175.32,57.97 175.84,57.97 R412.2
  Bottom 0.203: v180.28,54.8 179.96,54.8 179.2,55.56 179.2,57.47 178.82,57.85 v177.72,57.85
N$895
  Top 0.305: C1687.1 R414.2
  Top 0.406: R414.2
N$896
  Top 0.305: U254.1 178.98,56.58 178.17,56.58 177.79,56.2 C1688.1
N$897
  Top 0.305: C1697.1 12.66,122.5 U259.1
N$898
  Top 0.508: C1698.1 14.29,122.17 U259.3
N$899
  Top 0.305: U259.5 C1699.2
N$900  (via drill 0.2)